# Altium PCB PCB1.PcbDoc (part 2 of 2)
Units mm, origin at the board's own origin, x right, y up, seen from the top; angles counter-clockwise.
Board outline 85 x 54.47 mm, 4 copper layers (Component Side, Ground Plane, Power Plane, Solder Side), stack 0.683 mm thick; 117 components, 155 nets, 594 pads, 283 vias.
Unrouted connection lines stored in the file: 1.
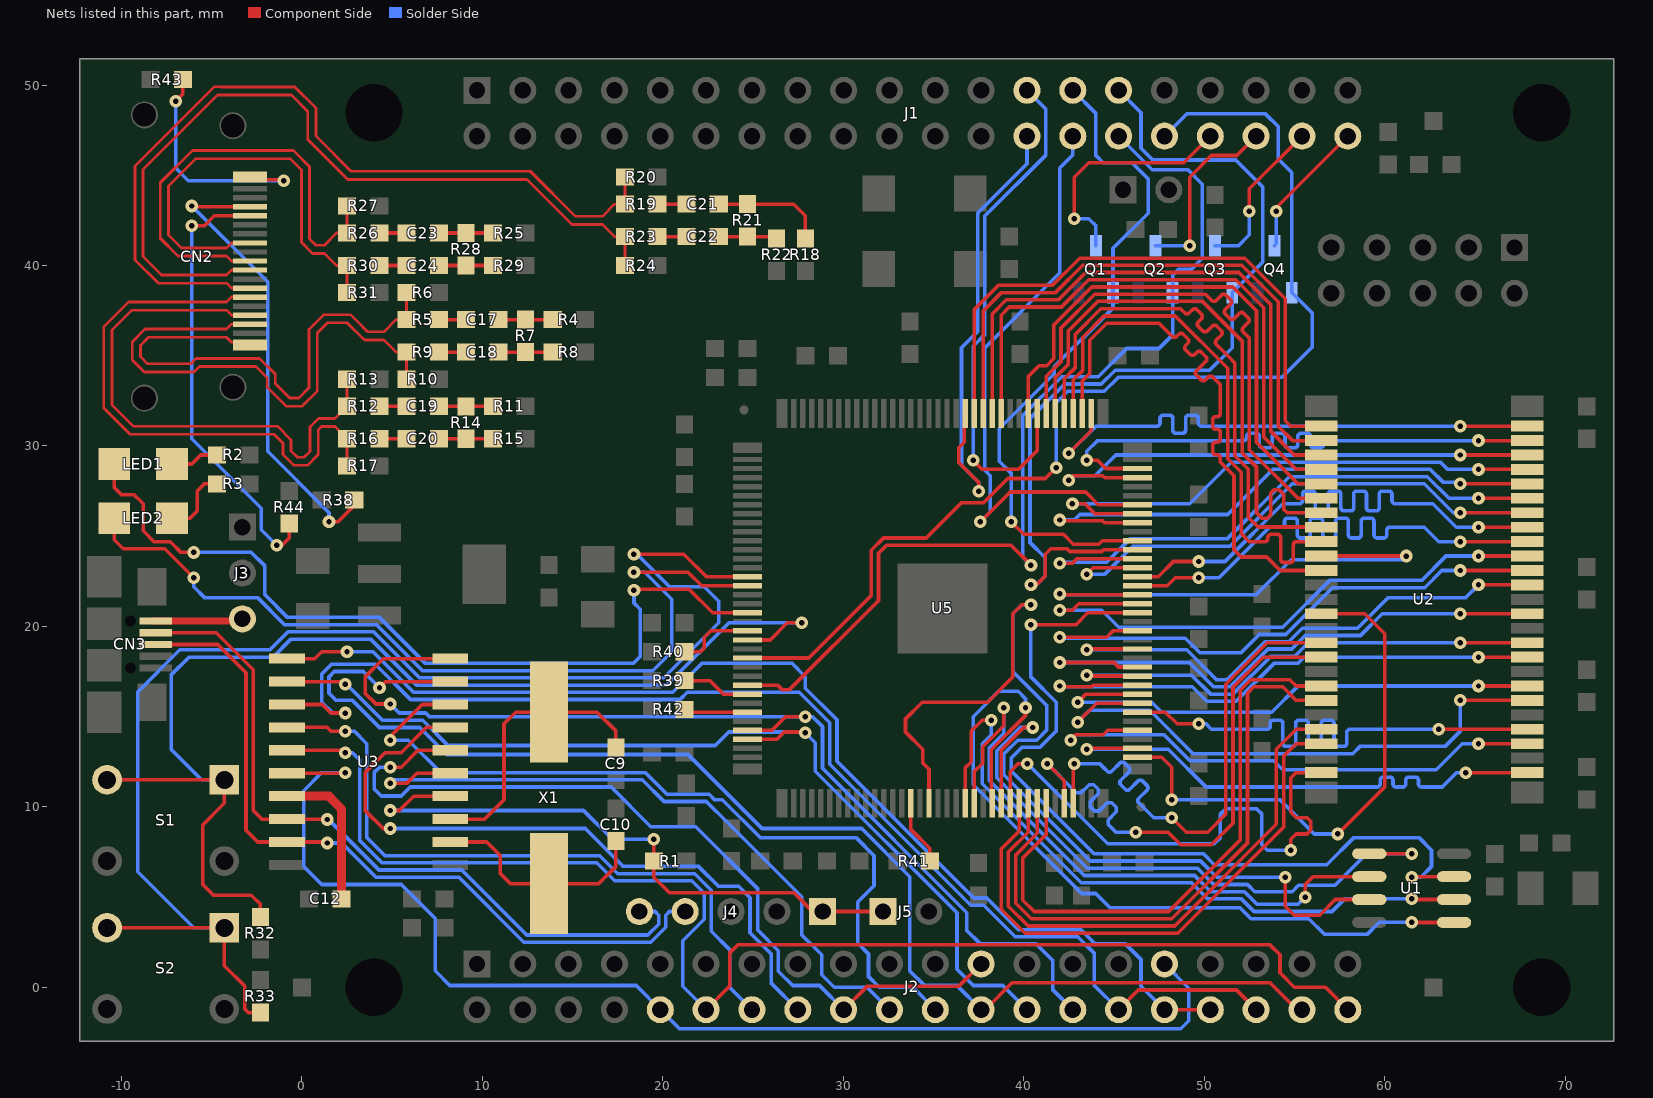
[diagram p4: the nets of this part, all layers, seen from the top]

## Via types
v1: diameter 0.7, hole 0.3, Component Side to Solder Side, 281 vias
v2: diameter 3, hole 2, Component Side to Solder Side, 1 vias
v3: diameter 0.9, hole 0.5, Component Side to Solder Side, 1 vias

## Nets (pads, with @x,y where several pads share a name; then routed paths per layer and width w, separated by ;. In a path a pad name is that pad's centre, name@x,y a point inside that pad or via, vN(x,y) a via of type N, cw(c..) or ccw(c..) an arc to the next point about the centre after c; other vN are vias at no path point) (continued)
GPIO22: J1.26 U5.88 | length 26.5
  Component Side w0.2: U5.88@36.75,31.8 36.7,31.75 36.7,30.2 36.4,29.9 36.4,29.081 37.5,27.981 v1(37.5,27.5)
  Solder Side w0.2: v1(37.5,27.5) 37.5,27.981 36.55,28.931 36.55,35.447 37.45,36.347 37.45,42.916 40.18,45.646 J1.26@40.18,47.17
GPIO23: J1.25 U5.80 | length 28.9
  Component Side w0.2: v1(37.2,29.2) 37.7,28.7 39.7,28.7 40.75,29.75 U5.80@40.75,31.8
  Solder Side w0.2: v1(37.2,29.2) 37.2,35.531 37.85,36.181 37.85,42.75 41.23,46.13 41.23,48.66 J1.25@40.18,49.71
GPIO24: J1.28 U5.66 | length 33.4
  Component Side w0.2: v1(37.6,25.8) 39.25,27.45 43.431,27.45 44.131,26.75 U5.66@46.3,26.75
  Solder Side w0.2: v1(37.6,25.8) 38.15,26.35 38.15,28.35 37.85,28.65 37.85,35.45 42,39.6 42,45.4 42.72,46.12 J1.28@42.72,47.17
GPIO25: J1.27 Q1.1 U5.62 | length 37.9
  Component Side w0.2: v1(39.3,25.8) 40,25.1 42.2,25.1 42.75,24.55 44.15,24.55 44.35,24.75 U5.62@46.3,24.75
  Solder Side w0.2: v1(39.3,25.8) 39.3,28.5 38.65,29.15 38.65,30.95 41.7,34 41.7,34.4 44.95,37.65 Q1.1@44.95,38.5 44.95,40.95 46.9,42.9 46.9,44.8 46,45.7 44.4,45.7 44,46.1 44,48.43 J1.27@42.72,49.71
GPIO26: J1.30 Q2.1 U5.135 | length 54.9
  Component Side w0.2: U5.135@24.7,16.75 26.35,16.75 26.6,16.5 27.019,16.5 31.95,21.431 31.95,24.05 32.4,24.5 39.3,24.5 v1(40.4,23.4)
  Solder Side w0.2: v1(40.4,23.4) 39.95,23.85 39.95,31.684 42.1,33.834 44.134,33.834 45.7,35.4 47.5,35.4 48.25,36.15 Q2.1@48.25,38.5 48.25,39.475 48.575,39.8 49.3,39.8 49.9,40.4 49.9,44.5 49.1,45.3 47.13,45.3 J1.30@45.26,47.17
GPIO27: J1.29 Q3.1 U5.61 | length 51.4
  Component Side w0.2: v1(40.4,22.3) 40.7,22.3 41.2,22.8 41.2,24 41.5,24.3 42.4,24.3 42.55,24.15 44.316,24.15 44.416,24.25 U5.61@46.3,24.25
  Solder Side w0.2: v1(40.4,22.3) 40.7,22.3 41.2,22.8 41.2,23.8 40.35,24.65 40.35,31.519 42.266,33.434 44.3,33.434 45.066,34.2 50.3,34.2 51.55,35.45 Q3.1@51.55,38.5 53.25,40.2 53.25,44.35 51.75,45.85 47.146,45.85 46.5,46.496 46.5,48.47 J1.29@45.26,49.71
GPIO28: J1.32 Q4.1 U5.132 | length 62.1
  Component Side w0.2: U5.132@24.7,18.25 28.084,18.25 31.55,21.716 31.55,24.216 32.234,24.9 34.6,24.9 36.55,26.85 37.769,26.85 39.119,28.2 41.2,28.2 v1(41.8,28.8)
  Solder Side w0.2: v1(41.8,28.8) 41.8,32.4 42.434,33.034 44.466,33.034 45.231,33.8 54.3,33.8 56,35.5 56,37.35 Q4.1@54.85,38.5 54.85,45.15 54.1,45.9 54.1,47.7 53.4,48.4 49.03,48.4 J1.32@47.8,47.17
HDMI_CLK_N: CN2.12 R30.2 R31.2 | length 24.5
  Component Side w0.152: CN2.12@-2.875,41.25 -3.9,41.25 -4.173,40.977 -6.677,40.977 -7.4,41.7 -7.4,44.4 -5.877,45.923 -0.662,45.923 -0.027,45.288 -0.027,41.288 0.588,40.673 1.252,40.673 1.925,40 R30.2@2.5,40 R31.2@2.5,38.5
HDMI_CLK_P: CN2.10 R26.2 R27.2 | length 26
  Component Side w0.152: CN2.10@-2.875,40.25 -3.9,40.25 -4.175,40.525 -5.11,40.525 -5.113,40.523 -5.487,40.523 -5.49,40.525 -6.865,40.525 -7.852,41.513 -7.852,44.587 -6.065,46.375 -0.475,46.375 0.425,45.475 0.425,41.475 0.775,41.125 1.25,41.125 1.925,41.8 R26.2@2.5,41.8 R27.2@2.5,43.3
HDMI_D0_N: CN2.9 R23.2 R24.2 | length 45.5
  Component Side w0.152: CN2.9@-2.875,39.75 -3.9,39.75 -4.175,39.475 -7.775,39.475 -8.8,40.5 -8.8,45.325 -4.675,49.45 -4.673,49.448 -0.584,49.448 0.325,48.539 0.323,48.536 0.323,46.988 0.588,46.723 0.591,46.723 2.541,44.773 12.466,44.773 14.966,42.273 16.652,42.273 17.325,41.6 R23.2@17.9,41.6 R24.2@17.9,40
HDMI_D0_P: CN2.7 R19.2 R20.2 | length 46.9
  Component Side w0.152: CN2.7@-2.875,38.75 -3.9,38.75 -4.173,39.023 -7.962,39.023 -9.252,40.313 -9.252,45.512 -4.862,49.902 -4.488,49.902 -4.485,49.9 -0.397,49.9 0.777,48.726 0.777,48.351 0.775,48.349 0.775,47.175 0.778,47.175 2.728,45.225 12.653,45.225 15.153,42.725 16.65,42.725 17.325,43.4 R19.2@17.9,43.4 R20.2@17.9,44.9
HDMI_D1_N: CN2.6 R16.2 R17.2 | length 31.9
  Component Side w0.152: CN2.6@-2.875,38.25 -3.9,38.25 -4.175,37.975 -9.611,37.975 -10.875,36.711 -10.975,36.611 -10.975,32.089 -9.536,30.65 -1.55,30.65 -1.05,30.15 -1.05,29.539 -0.436,28.925 0.311,28.925 0.9,29.514 0.9,30.875 1.1,31.075 1.825,31.075 R16.2@2.5,30.4 R17.2@2.5,28.9
HDMI_D1_P: CN2.4 R12.2 R13.2 | length 30.4
  Component Side w0.152: CN2.4@-2.875,37.25 -3.9,37.25 -4.175,37.525 -9.425,37.525 -10.525,36.425 -10.525,32.275 -9.35,31.1 -1.364,31.1 -0.6,30.336 -0.6,29.725 -0.25,29.375 0.125,29.375 0.45,29.7 0.45,31.061 0.914,31.525 1.825,31.525 R12.2@2.5,32.2 R13.2@2.5,33.7
HDMI_D2_N: CN2.3 R9.2 R10.2 | length 30.8
  Component Side w0.152: CN2.3@-2.875,36.75 -3.9,36.75 -4.173,36.477 -8.687,36.477 -9.4,35.765 -9.4,35.14 -9.402,35.137 -9.402,34.763 -8.737,34.098 -5.974,34.098 -5.672,34.4 -2.54,34.4 -1.927,33.788 -1.927,33.263 -0.862,32.198 -0.488,32.198 -0.485,32.2 0.015,32.2 0.852,33.038 0.852,33.412 0.85,33.415 0.85,36.275 0.853,36.275 1.403,36.825 2.514,36.825 2.514,36.822 3.463,35.873 3.837,35.873 3.84,35.875 4.55,35.875 5.225,35.2 R9.2@5.8,35.2 R10.2@5.8,33.7
HDMI_D2_P: CN2.1 R5.2 R6.2 | length 29.6
  Component Side w0.152: -8.725,35.8 -8.5,36.025 ; CN2.1@-2.875,35.75 -3.9,35.75 -4.175,36.025 -8.5,36.025 ; R6.2@5.8,38.5 R5.2@5.8,37 5.225,37 4.552,36.327 3.652,36.327 3.65,36.325 2.966,37.009 2.966,37.012 2.701,37.277 1.216,37.277 0.666,36.727 0.663,36.727 0.398,36.462 0.398,33.227 0.4,33.225 -0.173,32.652 -0.673,32.652 -0.675,32.65 -1.475,33.45 -1.475,33.975 -2.352,34.852 -5.859,34.852 -6.161,34.55 -8.55,34.55 -8.95,34.95 -8.948,34.952 -8.948,35.577 -8.5,36.025
LED0: LED2.2 U5.124 | length 48.1
  Component Side w0.2: LED2.2@-10.4,26 -10.4,24.8 -9.9,24.3 -7.6,24.3 v1(-6,22.7) ; v1(18.4,23) 21.4,23 22.15,22.25 U5.124@24.7,22.25
  Solder Side w0.2: v1(-6,22.7) -6,22.2 -5.4,21.6 -2.466,21.6 -0.966,20.1 4.134,20.1 6.684,17.55 19.45,17.55 20.5,18.6 20.5,21.5 19,23 v1(18.4,23)
LED1: LED1.2 U5.127 | length 47.2
  Component Side w0.2: LED1.2@-10.4,29 -10.4,27.7 -10,27.3 -9.3,27.3 -8.8,26.8 -8.8,25.3 -8.2,24.7 -7.3,24.7 -6.7,24.1 v1(-6,24.1) ; v1(18.4,22) 18.45,22.05 21.469,22.05 22.769,20.75 U5.127@24.7,20.75
  Solder Side w0.2: v1(-6,24.1) -2.8,24.1 -2.05,23.35 -2.05,21.75 -0.8,20.5 4.3,20.5 6.85,17.95 18.369,17.95 18.75,18.331 18.75,20.95 18.4,21.3 v1(18.4,22) v1@18.45,22.05
NetC9_2: C9.2 U3.3 X1.2 | length 15.4
  Component Side w0.2: U3.3@8.221,9.325 10.125,9.325 11.2,10.4 11.2,14.6 11.85,15.25 X1.2@13.7,15.25 16.35,15.25 17.4,14.2 C9.2@17.4,13.3
NetC10_2: C10.2 U3.2 X1.1 | length 12.5
  Component Side w0.2: U3.2@8.221,8.055 10.245,8.055 11,7.3 11,6.3 11.55,5.75 X1.1@13.7,5.75 16.45,5.75 17.4,6.7 C10.2@17.4,8.1
NetC12_2: C12.2 U3.17 | length 8.3
  Component Side w0.5: U3.17@-0.821,10.595 1.505,10.595 1.6,10.5 1.6,10.469 2.2,9.869 C12.2@2.2,4.9
NetC17_1: C17.1 R5.1 | length 1.5
  Component Side w0.2: R5.1@7.6,37 C17.1@9.1,37
NetC17_2: C17.2 R4.2 R7.2 | length 3
  Component Side w0.2: C17.2@10.9,37 R7.2@12.4,37 R4.2@13.9,37
NetC18_1: C18.1 R9.1 | length 1.5
  Component Side w0.2: R9.1@7.6,35.2 C18.1@9.1,35.2
NetC18_2: C18.2 R7.1 R8.2 | length 3
  Component Side w0.2: C18.2@10.9,35.2 R7.1@12.4,35.2 R8.2@13.9,35.2
NetC19_1: C19.1 R12.1 | length 1.5
  Component Side w0.2: R12.1@4.3,32.2 C19.1@5.8,32.2
NetC19_2: C19.2 R11.2 R14.2 | length 3
  Component Side w0.2: C19.2@7.6,32.2 R11.2@10.6,32.2
NetC20_1: C20.1 R16.1 | length 1.5
  Component Side w0.2: R16.1@4.3,30.4 C20.1@5.8,30.4
NetC20_2: C20.2 R14.1 R15.2 | length 3
  Component Side w0.2: C20.2@7.6,30.4 R14.1@9.1,30.4 R15.2@10.6,30.4
NetC21_1: C21.1 R19.1 | length 1.6
  Component Side w0.2: R19.1@19.7,43.4 C21.1@21.3,43.4
NetC21_2: C21.2 R18.2 R21.2 | length 6.3
  Component Side w0.2: C21.2@23.1,43.4 27.25,43.4 27.9,42.75 R18.2@27.9,41.5
NetC22_1: C22.1 R23.1 | length 1.6
  Component Side w0.2: R23.1@19.7,41.6 C22.1@21.3,41.6
NetC22_2: C22.2 R21.1 R22.2 | length 3.1
  Component Side w0.2: C22.2@23.1,41.6 R22.2@26.2,41.6
NetC23_1: C23.1 R26.1 | length 1.5
  Component Side w0.2: R26.1@4.3,41.8 C23.1@5.8,41.8
NetC23_2: C23.2 R25.2 R28.2 | length 3
  Component Side w0.2: C23.2@7.6,41.8 R28.2@9.1,41.8 R25.2@10.6,41.8
NetC24_1: C24.1 R30.1 | length 1.5
  Component Side w0.2: R30.1@4.3,40 C24.1@5.8,40
NetC24_2: C24.2 R28.1 R29.2 | length 3
  Component Side w0.2: C24.2@7.6,40 R28.1@9.1,40 R29.2@10.6,40
NetCN2_15: CN2.15 R44.2 | length 24.8
  Component Side w0.2: v1(-6.1,42.2) -5.4,42.2 -4.85,42.75 CN2.15@-2.875,42.75 ; v1(-1.4,24.5) -1.1,24.5 -0.7,24.9 R44.2@-0.7,25.7
  Solder Side w0.2: v1(-6.1,42.2) -6.1,30.4 -2.25,26.55 -2.25,25.35 v1(-1.4,24.5)
NetCN2_16: CN2.16 R38.2 | length 26
  Component Side w0.2: v1(-6.1,43.3) -6.05,43.25 CN2.16@-2.875,43.25 ; v1(1.5,25.8) 2,25.8 2.9,26.7 R38.2@2.9,27
  Solder Side w0.2: v1(-6.1,43.3) -1.9,39.1 -1.9,29.7 1.5,26.3 v1(1.5,25.8)
NetCN2_19: CN2.19 R43.1 | length 13.2
  Component Side w0.2: v1(-7,49.1) -6.6,49.5 R43.1@-6.6,50.3 ; CN2.19@-2.875,44.75 v1@-1.05,44.75
  Solder Side w0.2: v1(-7,49.1) -7,45.4 -6.3,44.7 v1(-1,44.7)
NetJ1_34: J1.34 Q1.3 | length 13.2
  Component Side w0.2: v1(42.8,42.6) 42.8,44.9 43.6,45.7 48.87,45.7 J1.34@50.34,47.17
  Solder Side w0.2: v1(42.8,42.6) 43.6,42.6 44,42.2 Q1.3@44,41.1
NetJ1_36: J1.36 Q2.3 | length 10.3
  Component Side w0.2: v1(49.2,41.1) 49.2,44.9 50.4,46.1 51.81,46.1 J1.36@52.88,47.17
  Solder Side w0.2: Q2.3@47.3,41.1 v1(49.2,41.1)
NetJ1_38: J1.38 Q3.3 | length 8.8
  Component Side w0.2: v1(52.5,43) 52.5,44.25 J1.38@55.42,47.17
  Solder Side w0.2: Q3.3@50.6,41.1 51.9,41.1 52.5,41.7 v1(52.5,43)
NetJ1_40: J1.40 Q4.3 | length 7.8
  Component Side w0.2: v1(54,43) 54,43.21 J1.40@57.96,47.17
  Solder Side w0.2: Q4.3@53.9,41.1 54,41.2 v1(54,43)
NetLED1_1: LED1.1 R2.2 | length 2.7
  Component Side w0.2: LED1.1@-7.2,29 -6.1,29 -5.6,29.5 R2.2@-4.7,29.5
NetLED2_1: LED2.1 R3.2 | length 3.9
  Component Side w0.2: LED2.1@-7.2,26 -6.2,26 -5.8,26.4 -5.8,27.5 -5.4,27.9 R3.2@-4.7,27.9
NetR39_2: R39.2 U5.136 | length 3.8
  Component Side w0.2: R39.2@21.2,17 22.6,17 23.35,16.25 U5.136@24.7,16.25
NetR40_2: R40.2 U5.129 | length 4.3
  Component Side w0.2: R40.2@21.2,18.6 22.1,18.6 22.3,18.8 22.3,19.4 22.65,19.75 U5.129@24.7,19.75
NetR41_2: R41.2 U5.15 | length 3.6
  Component Side w0.2: U5.15@33.75,10.2 33.75,8.75 34.8,7.7 R41.2@34.8,7
NetR42_2: R42.2 U5.138 | length 3.6
  Component Side w0.2: R42.2@21.2,15.4 21.35,15.25 U5.138@24.7,15.25
PIC_D_N: CN3.2 J4.5 U3.18 | length 41.5
  Component Side w0.2: CN3.2@-8.3,19.65 -4.75,19.65 -2.7,17.6 -2.7,9.8 -2.225,9.325 U3.18@-0.821,9.325 1.375,9.325 v1(1.4,9.3)
  Solder Side w0.2: v1(1.4,9.3) 1.469,9.3 4.269,6.5 8.866,6.5 12.466,2.9 19.17,2.9 19.77,3.5 19.77,4 19.57,4.2 J4.5@18.7,4.2
PIC_D_P: CN3.3 J4.4 U3.19 | length 42.6
  Component Side w0.2: CN3.3@-8.3,19 -4.666,19 -3.1,17.434 -3.1,8.7 -2.455,8.055 U3.19@-0.821,8.055 1.345,8.055 v1(1.4,8)
  Solder Side w0.2: v1(1.4,8) 2.203,8 4.103,6.1 8.7,6.1 12.3,2.5 19.336,2.5 20.17,3.334 20.17,4 20.37,4.2 J4.4@21.24,4.2
PIC_MCLR: J4.1 J5.1 R1.2 U3.4 | length 34.5
  Component Side w0.2: v1(4.9,9.8) 5.4,9.8 6.195,10.595 U3.4@8.221,10.595 ; v1(19.5,8.2) R1.2@19.5,7 19.5,6.1 20.35,5.25 27.25,5.25 28.3,4.2 J4.1@28.86,4.2 J5.1@32.2,4.2
  Solder Side w0.2: v1(4.9,9.8) 15.6,9.8 17.2,8.2 v1(19.5,8.2)
PIC_RB4: J2.30 J2.36 U3.13 | length 70.1
  Component Side w0.2: U3.13@-0.821,15.675 1.125,15.675 1.6,15.2 v1(2.4,15.2) ; J2.30@45.26,-1.24 46.35,-0.15 51.79,-0.15 J2.36@52.88,-1.24
  Solder Side w0.2: v1(2.4,15.2) 1.7,15.2 1.1,15.8 1.1,17.366 1.634,17.9 4.072,17.9 6.022,15.95 20.95,15.95 21.35,16.35 27.565,16.35 29.25,14.665 29.25,12.365 37.065,4.55 37.787,4.55 39.537,2.8 43,2.8 43.9,1.9 43.9,0.12 J2.30@45.26,-1.24
PIC_RB6: J2.32 J2.34 U3.11 | length 63.5
  Component Side w0.2: U3.11@-0.821,18.215 0.715,18.215 1.1,18.6 v1(2.5,18.6) ; J2.32@47.8,-1.24 J2.34@50.34,-1.24
  Solder Side w0.2: v1(2.5,18.6) 3.937,18.6 6.187,16.35 20.55,16.35 22.15,17.95 27.169,17.95 27.9,17.219 27.9,16.581 29.65,14.831 29.65,12.531 37.231,4.95 37.953,4.95 39.703,3.2 43.166,3.2 43.966,2.4 45.645,2.4 46.5,1.545 46.5,0.06 J2.32@47.8,-1.24
PIC_RC0: J2.10 J2.31 U3.16 | length 68.5
  Component Side w0.2: U3.16@-0.821,11.865 2.365,11.865 v1(2.4,11.9)
  Solder Side w0.2: v1(2.4,11.9) 1.1,11.9 0.1,10.9 0.1,6.7 1.1,5.7 5.5,5.7 7.388,3.812 7.388,0.913 8.2,0.1 18.52,0.1 J2.10@19.86,-1.24 20.92,-2.3 48.7,-2.3 49.15,-1.85 49.15,-0.05 J2.31@47.8,1.3
PIC_RC1: J2.12 J2.40 U3.15 | length 76.7
  Component Side w0.2: U3.15@-0.821,13.135 2.265,13.135 v1(2.4,13) ; J2.12@22.4,-1.24 23.7,0.06 23.7,1.9 24.15,2.35 53.65,2.35 54.2,1.8 54.2,0.8 55,0 56.72,0 J2.40@57.96,-1.24
  Solder Side w0.2: v1(2.4,13) 2.8,13 3.2,12.6 3.2,8.134 4.434,6.9 16.334,6.9 17.334,5.9 21.6,5.9 22.29,5.21 22.29,3.765 21.1,2.575 21.1,0.06 J2.12@22.4,-1.24
PIC_RC2: J2.14 U3.14 | length 37.8
  Component Side w0.2: U3.14@-0.821,14.405 1.395,14.405 1.6,14.2 v1(2.4,14.2)
  Solder Side w0.2: v1(2.4,14.2) 2.9,14.2 3.6,13.5 3.6,8.3 4.6,7.3 16.5,7.3 17.5,6.3 21.766,6.3 22.69,5.376 22.69,3.11 23.7,2.1 23.7,0 J2.14@24.94,-1.24
PIC_RC3: J2.16 U3.7 | length 38.5
  Component Side w0.2: v1(4.9,8.8) 4.5,8.8 3.5,9.8 3.5,11.9 4.6,13 5.5,13 6.905,14.405 U3.7@8.221,14.405
  Solder Side w0.2: v1(4.9,8.8) 15.7,8.8 17.8,6.7 21.981,6.7 23.081,5.6 24.2,5.6 24.83,4.97 24.83,3.03 26,1.86 26,0.24 J2.16@27.48,-1.24
PIC_RC4: J2.18 J2.23 U3.6 | length 47.8
  Component Side w0.2: v1(4.9,12.2) 5.5,12.2 6.435,13.135 U3.6@8.221,13.135 ; J2.18@30.02,-1.24 31.31,0.05 36.39,0.05 J2.23@37.64,1.3
  Solder Side w0.2: v1(4.9,12.2) 4.3,12.2 4,11.9 4,11 4.4,10.6 5.5,10.6 6,11.1 17.139,11.1 19.339,8.9 21.819,8.9 25.27,5.449 25.27,3.156 26.4,2.026 26.4,0.895 27.195,0.1 28.68,0.1 J2.18@30.02,-1.24
PIC_RC5: J2.20 U3.5 | length 38.5
  Component Side w0.2: v1(4.9,11.3) 5.8,11.3 6.365,11.865 U3.5@8.221,11.865
  Solder Side w0.2: v1(4.9,11.3) 5.1,11.5 18.861,11.5 20.061,10.3 22.4,10.3 22.95,9.75 22.969,9.75 27.7,5.019 27.7,2.9 28.8,1.8 28.8,0.7 29.5,0 31.32,0 J2.20@32.56,-1.24
PIC_RC6: J2.22 U3.8 | length 45.5
  Component Side w0.2: v1(4.9,13.7) 4.9,13.9 6.675,15.675 U3.8@8.221,15.675
  Solder Side w0.2: v1(4.9,13.7) 5.9,13.7 7.7,11.9 19.026,11.9 20.226,10.7 22.566,10.7 22.866,10.4 23.3,10.4 25.4,8.3 30.7,8.3 31.7,7.3 31.7,5.624 30.8,4.724 30.8,2.45 31.4,1.85 31.4,0.6 32,0 33.86,0 J2.22@35.1,-1.24
PIC_RC7: J2.24 J2.38 U3.9 | length 73.7
  Component Side w0.2: v1(4.3,16.6) 4.645,16.945 U3.9@8.221,16.945 ; J2.24@37.64,-1.24 37.86,-1.24 39.35,0.25 53.65,0.25 55.14,-1.24 J2.38@55.42,-1.24
  Solder Side w0.2: v1(4.3,16.6) 3.4,17.5 1.8,17.5 1.5,17.2 1.5,16.3 1.9,15.9 2.8,15.9 4.3,14.4 6.534,14.4 8.034,12.9 21.4,12.9 25.5,8.8 31.019,8.8 33.69,6.129 33.69,0.91 34.5,0.1 36.3,0.1 J2.24@37.64,-1.24
PIC_RX: J2.26 U3.12 U5.141 | length 55.3
  Component Side w0.2: U3.12@-0.821,16.945 2.255,16.945 v1(2.4,16.8) ; U5.141@24.7,13.75 26.331,13.75 26.731,14.15 27.85,14.15 v1(27.9,14.1)
  Solder Side w0.2: v1(2.4,16.8) 2.466,16.8 4.466,14.8 6.7,14.8 8.1,13.4 22.9,13.4 23.65,14.15 27.85,14.15 v1(27.9,14.1) 28.45,13.55 28.45,11.975 36.3,4.125 36.3,1 37.2,0.1 38.84,0.1 J2.26@40.18,-1.24
PIC_TX: J2.28 U3.10 U5.140 | length 58.9
  Component Side w0.2: v1(4.9,15.7) 4.1,15.7 3.5,16.3 3.5,17.2 4.515,18.215 U3.10@8.221,18.215 ; U5.140@24.7,14.25 26.05,14.25 26.8,15 v1(27.9,15)
  Solder Side w0.2: v1(4.9,15.7) 5.4,15.2 6.866,15.2 7.066,15 v1(27.9,15) 28.3,15 28.85,14.45 28.85,12.141 36.85,4.141 36.85,3.15 37.6,2.4 40.7,2.4 41.6,1.5 41.6,-0.12 J2.28@42.72,-1.24
QSPIGPIO28: U1.3 U5.17 | length 54.1
  Component Side w0.2: U5.17@34.75,10.2 34.75,12.084 34.4,12.434 34.4,13.2 33.45,14.15 33.45,14.869 34.381,15.8 38,15.8 39.4,17.2 39.4,20.7 39.9,21.2 v1(40.4,21.2) ; v1(54.5,6.1) 54.5,4.5 55,4 56.4,4 57.265,4.865 U1.3@59.15,4.865
  Solder Side w0.2: v1(40.4,21.2) 39.9,21.2 39.4,20.7 39.4,17.5 41.267,15.633 41.267,14.248 40.719,13.7 39.666,13.7 38.9,12.934 38.9,11.782 43.682,7 49.797,7 50.697,6.1 v1(54.5,6.1)
QSPIGPIO30: U1.7 U5.54 | length 47.4
  Component Side w0.2: v1(40.4,20.1) 42.9,20.1 43.55,20.75 U5.54@46.3,20.75 ; v1@61.535,6.135 U1.7@63.85,6.135
  Solder Side w0.2: v1(40.4,20.1) 40.4,17.2 41.8,15.8 41.8,14.2 40.9,13.3 39.9,13.3 39.3,12.7 39.3,12 43.9,7.4 49.963,7.4 50.563,6.8 56.8,6.8 58.3,8.3 61.9,8.3 62.6,7.6 62.6,6.7 62,6.1 v1(61.5,6.1)
SDRAM_A0: U2.23 U5.65 | length 30.1
  Component Side w0.2: v1(42.7,26.8) 43.4,26.8 43.95,26.25 U5.65@46.3,26.25 ; v1(65.2,28.7) U2.23@67.9,28.7
  Solder Side w0.2: v1(42.7,26.8) 49.2,26.8 51.5,29.1 63.097,29.1 63.497,28.7 v1(65.2,28.7)
SDRAM_A1: U2.24 U5.69 | length 29.9
  Component Side w0.2: v1(42.5,28.1) 42.75,28.35 44.384,28.35 44.484,28.25 U5.69@46.3,28.25 ; v1(64.2,29.5) U2.24@67.9,29.5
  Solder Side w0.2: v1(42.5,28.1) 42.75,28.35 43.95,28.35 45.1,29.5 v1(64.2,29.5)
SDRAM_A2: U2.25 U5.70 | length 31.9
  Component Side w0.2: v1(43.5,29.2) 44.1,29.2 44.55,28.75 U5.70@46.3,28.75 ; v1(65.2,30.3) U2.25@67.9,30.3
  Solder Side w0.2: v1(43.5,29.2) 43.5,29.7 44.1,30.3 52,30.3 52.177,30.3 ccw(c52.177,30.477) 52.354,30.477 52.354,30.523 cw(c52.531,30.523) 52.531,30.7 52.885,30.7 cw(c52.885,30.523) 53.062,30.523 53.062,30.3 53.062,30.077 ccw(c53.239,30.077) 53.239,29.9 53.593,29.9 ccw(c53.593,30.077) 53.77,30.077 53.77,30.3 53.77,30.523 cw(c53.947,30.523) 53.947,30.7 54.301,30.7 cw(c54.301,30.523) 54.478,30.523 54.478,30.3 54.478,30.077 ccw(c54.655,30.077) 54.655,29.9 55.009,29.9 ccw(c55.009,30.077) 55.186,30.077 55.186,30.3 55.186,30.523 cw(c55.363,30.523) 55.363,30.7 55.717,30.7 cw(c55.717,30.523) 55.894,30.523 55.894,30.3 55.894,30.077 ccw(c56.071,30.077) 56.071,29.9 56.425,29.9 ccw(c56.425,30.077) 56.602,30.077 56.602,30.123 cw(c56.779,30.123) 56.779,30.3 56.8,30.3 v1(65.2,30.3)
SDRAM_A3: U2.26 U5.74 | length 31.3
  Component Side w0.2: v1(42.5,29.6) 43.75,30.85 U5.74@43.75,31.8 ; v1(64.2,31.1) U2.26@67.9,31.1
  Solder Side w0.2: v1(42.5,29.6) 44,31.1 47.2,31.1 47.377,31.1 ccw(c47.377,31.277) 47.554,31.277 47.554,31.523 cw(c47.731,31.523) 47.731,31.7 48.085,31.7 cw(c48.085,31.523) 48.262,31.523 48.262,31.1 48.262,30.877 ccw(c48.439,30.877) 48.439,30.7 48.793,30.7 ccw(c48.793,30.877) 48.97,30.877 48.97,31.1 48.97,31.523 cw(c49.147,31.523) 49.147,31.7 49.501,31.7 cw(c49.501,31.523) 49.678,31.523 49.678,31.277 ccw(c49.855,31.277) 49.855,31.1 50,31.1 v1(64.2,31.1)
SDRAM_A4: U2.29 U5.87 | length 34
  Component Side w0.2: U5.87@37.25,31.8 37.25,37.55 38.6,38.9 41.6,38.9 43.111,40.411 52.251,40.411 54.5,38.163 54.5,31.4 54.8,31.1 U2.29@56.5,31.1
SDRAM_A5: U2.30 U5.86 | length 33.5
  Component Side w0.2: U5.86@37.75,31.8 37.75,37.484 38.766,38.5 41.766,38.5 43.277,40.011 52.086,40.011 54.1,37.997 54.1,31.1 54.9,30.3 U2.30@56.5,30.3
SDRAM_A6: U2.31 U5.85 | length 33
  Component Side w0.2: U5.85@38.25,31.8 38.25,37.316 39.034,38.1 41.931,38.1 43.443,39.611 51.92,39.611 53.7,37.831 53.7,30.8 55,29.5 U2.31@56.5,29.5
SDRAM_A7: U2.32 U5.84 | length 32.6
  Component Side w0.2: U5.84@38.75,31.8 38.75,37.25 39.201,37.7 42.097,37.7 43.608,39.211 51.754,39.211 53.3,37.666 53.3,30.5 55.1,28.7 U2.32@56.5,28.7
SDRAM_A8: U2.33 U5.81 | length 30.2
  Component Side w0.2: U5.81@40.25,31.8 40.25,33.85 40.85,34.45 41.269,34.45 41.666,34.846 41.666,36.703 43.774,38.811 51.589,38.811 52.9,37.5 52.9,30.2 55.2,27.9 U2.33@56.5,27.9
SDRAM_A9: U2.34 U5.79 | length 31
  Component Side w0.2: U5.79@41.25,31.8 41.25,33.865 42.066,34.681 42.066,36.537 43.94,38.411 50.07,38.411 50.291,38.191 50.416,38.066 ccw(c50.541,38.191) 50.666,38.066 50.96,38.36 cw(c51.085,38.234) 51.21,38.36 51.461,38.109 cw(c51.336,37.984) 51.461,37.859 51.167,37.565 ccw(c51.292,37.44) 51.167,37.315 51.417,37.064 ccw(c51.542,37.19) 51.668,37.064 51.948,37.344 cw(c52.073,37.219) 52.198,37.344 52.448,37.094 cw(c52.323,36.969) 52.448,36.844 52.168,36.564 ccw(c52.293,36.439) 52.168,36.313 52.291,36.191 52.5,35.982 52.5,29.797 55.197,27.1 U2.34@56.5,27.1
SDRAM_A10: U2.22 U5.64 | length 31.7
  Component Side w0.2: v1@42.05,25.85 44.369,25.85 44.469,25.75 U5.64@46.3,25.75 ; v1(64.2,27.9) U2.22@67.9,27.9
  Solder Side w0.2: v1(42,25.9) 42.8,25.9 43.1,26.2 51.3,26.2 53.8,28.7 62.531,28.7 63.231,28 64.1,28 v1(64.2,27.9)
SDRAM_A11: U2.35 U5.78 | length 32
  Component Side w0.2: U5.78@41.75,31.8 41.75,33.799 42.466,34.515 42.466,36.372 44.105,38.011 49.905,38.011 52.1,35.816 52.1,29.631 52.9,28.831 52.9,26.3 53.2,26 53.5,26 53.7,26.2 53.7,27.4 53.866,27.566 54.166,27.566 54.4,27.331 54.4,26.5 54.6,26.3 U2.35@56.5,26.3
SDRAM_A12: U2.36 U5.77 | length 30.5
  Component Side w0.2: U5.77@42.25,31.8 42.25,33.734 42.866,34.349 42.866,36.197 44.269,37.6 48.7,37.6 48.8,37.5 48.925,37.375 ccw(c49.05,37.5) 49.175,37.375 49.349,37.548 cw(c49.474,37.423) 49.599,37.548 49.849,37.298 cw(c49.724,37.173) 49.849,37.048 49.676,36.874 ccw(c49.801,36.749) 49.676,36.624 49.926,36.374 ccw(c50.052,36.499) 50.177,36.374 50.444,36.64 cw(c50.569,36.515) 50.694,36.64 50.944,36.39 cw(c50.819,36.265) 50.944,36.14 50.677,35.873 ccw(c50.803,35.748) 50.677,35.623 51.053,35.247 51.3,35 51.7,34.6 51.7,29.466 52.45,28.716 52.45,26.05 52.989,25.511 56.489,25.511 U2.36@56.5,25.5
SDRAM_BA0: U2.20 U5.59 | length 30.1
  Component Side w0.2: v1(43.5,22.9) 43.85,23.25 U5.59@46.3,23.25 ; v1(64.2,26.3) U2.20@67.9,26.3
  Solder Side w0.2: v1(43.5,22.9) 44.5,22.9 46.05,24.45 51.435,24.45 54.885,27.9 62.2,27.9 63.8,26.3 v1(64.2,26.3)
SDRAM_BA1: U2.21 U5.60 | length 32.8
  Component Side w0.2: v1(42,23.5) 42.7,23.5 42.95,23.75 U5.60@46.3,23.75 ; v1(65.2,27.1) U2.21@67.9,27.1
  Solder Side w0.2: v1(42,23.5) 42.05,23.55 44.584,23.55 45.884,24.85 51.269,24.85 54.719,28.3 62.366,28.3 63.566,27.1 v1(65.2,27.1)
SDRAM_CAS#: U2.17 U5.55 | length 32.4
  Component Side w0.2: v1(42,20.9) 42.7,20.9 43.05,21.25 U5.55@46.3,21.25 ; v1(65.2,23.9) U2.17@67.9,23.9
  Solder Side w0.2: v1(42,20.9) 44.319,20.9 45.269,19.95 54.35,19.95 56.95,22.55 62.05,22.55 63.4,23.9 v1(65.2,23.9)
SDRAM_CKE: U2.37 U5.76 | length 31.2
  Component Side w0.2: U5.76@42.75,31.8 42.75,33.668 43.266,34.184 43.266,36.031 44.434,37.2 48.4,37.2 51.3,34.3 51.3,29.3 52.05,28.55 52.05,25.15 52.5,24.7 52.8,24.7 52.822,24.7 53.353,24.7 ccw(c53.353,24.877) 53.53,24.877 53.53,24.923 cw(c53.707,24.923) 53.707,25.1 54.061,25.1 cw(c54.061,24.923) 54.238,24.923 54.238,24.7 54.238,23.72 ccw(c54.415,23.72) 54.415,23.543 54.769,23.543 ccw(c54.769,23.72) 54.946,23.72 54.946,24.523 cw(c55.123,24.523) 55.123,24.7 55.3,24.7 U2.37@56.5,24.7 U2.37@56.3,24.9
SDRAM_CLK: U2.38 U5.56 | length 29.2
  Component Side w0.2: v1(42,21.8) 42.05,21.75 U5.56@46.3,21.75 ; U2.38@56.5,23.9 v1(61.2,23.9)
  Solder Side w0.2: v1(42,21.8) 42.05,21.75 52.869,21.75 54.819,23.7 61,23.7 v1(61.2,23.9) v1@61.15,23.85
SDRAM_CS#: U2.19 U5.58 | length 30.6
  Component Side w0.2: U5.58@46.3,22.75 47.45,22.75 48.3,23.6 v1(49.7,23.6) ; v1(65.2,25.5) U2.19@67.9,25.5
  Solder Side w0.2: v1(49.7,23.6) 51.151,23.6 54.351,26.8 55.1,26.8 55.277,26.8 ccw(c55.277,26.977) 55.454,26.977 55.454,27.323 cw(c55.631,27.323) 55.631,27.5 55.985,27.5 cw(c55.985,27.323) 56.162,27.323 56.162,26.8 56.162,26.577 ccw(c56.339,26.577) 56.339,26.4 56.693,26.4 ccw(c56.693,26.577) 56.87,26.577 56.87,26.8 56.87,27.323 cw(c57.047,27.323) 57.047,27.5 57.401,27.5 cw(c57.401,27.323) 57.578,27.323 57.578,26.8 57.578,26.577 ccw(c57.755,26.577) 57.755,26.4 58.109,26.4 ccw(c58.109,26.577) 58.286,26.577 58.286,26.8 58.286,27.323 cw(c58.463,27.323) 58.463,27.5 58.817,27.5 cw(c58.817,27.323) 58.994,27.323 58.994,26.8 58.994,26.577 ccw(c59.171,26.577) 59.171,26.4 59.525,26.4 ccw(c59.525,26.577) 59.702,26.577 59.702,26.8 59.702,27.323 cw(c59.879,27.323) 59.879,27.5 60.233,27.5 cw(c60.233,27.323) 60.41,27.323 60.41,26.977 ccw(c60.587,26.977) 60.587,26.8 60.8,26.8 62.666,26.8 63.966,25.5 v1(65.2,25.5)
SDRAM_DQ0: U2.2 U5.39 | length 29.9
  Component Side w0.2: v1@43.55,13.25 U5.39@46.3,13.25 ; v1(64.5,11.9) U2.2@67.9,11.9
  Solder Side w0.2: v1(43.5,13.2) 48.003,13.2 50.103,11.1 59.4,11.1 59.577,11.1 ccw(c59.577,11.277) 59.754,11.277 59.754,11.473 cw(c59.931,11.473) 59.931,11.65 60.285,11.65 cw(c60.285,11.473) 60.462,11.473 60.462,11.277 ccw(c60.639,11.277) 60.639,11.1 60.993,11.1 ccw(c60.993,11.277) 61.17,11.277 61.17,11.473 cw(c61.347,11.473) 61.347,11.65 61.701,11.65 cw(c61.701,11.473) 61.878,11.473 61.878,11.277 ccw(c62.055,11.277) 62.055,11.1 62.586,11.1 63.2,11.1 64,11.9 v1(64.5,11.9)
SDRAM_DQ1: U2.4 U5.41 | length 30.8
  Component Side w0.2: v1(42.6,13.7) 42.9,14 44.4,14 44.65,14.25 U5.41@46.3,14.25 ; v1(65.2,13.5) U2.4@67.9,13.5
  Solder Side w0.2: v1(42.6,13.7) 42.9,14 47.769,14 49.219,12.55 53.85,12.55 54.35,12.05 59.739,12.05 59.751,12.061 62.861,12.061 64.3,13.5 v1(65.2,13.5)
SDRAM_DQ2: U2.5 U5.43 | length 29.6
  Component Side w0.2: U5.43@46.3,15.25 47.85,15.25 48.5,14.6 v1(49.7,14.6) ; v1(63,14.3) U2.5@67.9,14.3
  Solder Side w0.2: v1(49.7,14.6) 50.1,14.6 50.4,14.3 53.3,14.3 53.477,14.3 ccw(c53.477,14.477) 53.654,14.477 53.654,14.623 cw(c53.831,14.623) 53.831,14.8 54.185,14.8 cw(c54.185,14.623) 54.362,14.623 54.362,14.3 54.362,13.527 ccw(c54.539,13.527) 54.539,13.35 54.893,13.35 ccw(c54.893,13.527) 55.07,13.527 55.07,14.3 55.07,14.623 cw(c55.247,14.623) 55.247,14.8 55.601,14.8 cw(c55.601,14.623) 55.778,14.623 55.778,14.3 55.778,13.527 ccw(c55.955,13.527) 55.955,13.35 56.309,13.35 ccw(c56.309,13.527) 56.486,13.527 56.486,14.3 56.486,14.623 cw(c56.663,14.623) 56.663,14.8 57.017,14.8 cw(c57.017,14.623) 57.194,14.623 57.194,14.3 57.194,13.527 ccw(c57.371,13.527) 57.371,13.35 57.725,13.35 ccw(c57.725,13.527) 57.902,13.527 57.902,14.123 cw(c58.079,14.123) 58.079,14.3 58.3,14.3 v1(63,14.3)
SDRAM_DQ3: U2.7 U5.44 | length 32.1
  Component Side w0.2: v1(43,14.7) 44.05,15.75 U5.44@46.3,15.75 ; v1(64.2,15.9) U2.7@67.9,15.9
  Solder Side w0.2: v1(43,14.7) 43.65,15.35 46.984,15.35 49.384,12.95 58.231,12.95 58.631,13.35 63.35,13.35 64.2,14.2 v1(64.2,15.9)
SDRAM_DQ4: U2.8 U5.45 | length 29.2
  Component Side w0.2: v1(43,15.8) 43.45,16.25 U5.45@46.3,16.25 ; v1(65.2,16.7) U2.8@67.9,16.7
  Solder Side w0.2: v1(43,15.8) 47.1,15.8 47.65,15.25 53.75,15.25 55.2,16.7 v1(65.2,16.7)
SDRAM_DQ5: U2.10 U5.46 | length 31.6
  Component Side w0.2: v1@42.05,16.65 43.769,16.65 43.869,16.75 U5.46@46.3,16.75 ; v1(65.2,18.3) U2.10@67.9,18.3
  Solder Side w0.2: v1(42,16.7) 42.05,16.65 49.337,16.65 50.137,15.85 51.766,15.85 53.866,17.95 55.178,17.95 55.528,18.3 v1(65.2,18.3)
SDRAM_DQ6: U2.11 U5.47 | length 28.8
  Component Side w0.2: v1@43.55,17.25 U5.47@46.3,17.25 ; v1(64.2,19.1) U2.11@67.9,19.1
  Solder Side w0.2: v1(43.5,17.3) 49.303,17.3 50.353,16.25 51.601,16.25 53.701,18.35 55.013,18.35 55.763,19.1 v1(64.2,19.1)
SDRAM_DQ7: U2.13 U5.48 | length 32.8
  Component Side w0.2: v1(42,18) 45,18 45.25,17.75 U5.48@46.3,17.75 ; v1(64.2,20.7) U2.13@67.9,20.7 U2.13@67.75,20.55
  Solder Side w0.2: v1(42,18) 49.169,18 50.519,16.65 51.435,16.65 53.535,18.75 54.847,18.75 55.597,19.5 58.666,19.5 59.866,20.7 v1(64.2,20.7)
SDRAM_DQ8: U2.42 U5.38 | length 30
  Component Side w0.2: U5.38@46.3,12.75 47.65,12.75 48.2,12.2 v1(48.2,10.4) ; U2.42@56.5,20.7 58.9,20.7 60,19.6 60,11.1 v1(57.4,8.5)
  Solder Side w0.2: v1(48.2,10.4) 54.2,10.4 56.1,8.5 v1(57.4,8.5)
SDRAM_DQ9: U2.44 U5.33 | length 29.4
  Component Side w0.2: U5.33@42.75,10.2 v1@42.75,12.35 ; v1(48.2,9.4) 49,8.6 50.2,8.6 51.2,9.6 51.2,16.797 53.503,19.1 U2.44@56.5,19.1
  Solder Side w0.2: v1(42.8,12.4) 44.2,12.4 44.5,12.1 44.625,11.975 ccw(c44.75,12.1) 44.875,11.975 45.332,12.432 cw(c45.457,12.306) 45.583,12.432 45.833,12.181 cw(c45.708,12.056) 45.833,11.931 45.376,11.474 ccw(c45.501,11.349) 45.376,11.224 45.626,10.974 ccw(c45.752,11.099) 45.877,10.974 46.334,11.43 cw(c46.459,11.305) 46.584,11.43 46.834,11.18 cw(c46.709,11.055) 46.834,10.93 46.377,10.473 ccw(c46.503,10.348) 46.377,10.223 46.7,9.9 47.2,9.4 v1(48.2,9.4)
SDRAM_DQ10: U2.45 U5.32 | length 31.5
  Component Side w0.2: v1(41.3,12.4) 42.25,11.45 U5.32@42.25,10.2 ; v1(46.2,8.6) 48,8.6 48.7,7.9 50.4,7.9 51.6,9.1 51.6,16.631 53.269,18.3 U2.45@56.5,18.3
  Solder Side w0.2: v1(41.3,12.4) 42.8,10.9 42.925,10.775 43.175,10.775 43.632,11.232 43.883,11.232 44.133,10.981 44.133,10.731 43.676,10.274 43.676,10.024 43.926,9.774 44.177,9.774 44.634,10.23 44.884,10.23 45.134,9.98 45.134,9.73 44.677,9.273 44.677,9.023 45.053,8.647 45.1,8.6 v1(46.2,8.6)
SDRAM_DQ11: U2.47 U5.30 | length 33.1
  Component Side w0.2: U5.30@41.25,10.2 41.25,8.469 39.95,7.169 39.95,4.831 40.581,4.2 48.037,4.2 52,8.163 52,16.466 52.584,17.05 54.75,17.05 55.1,16.7 U2.47@56.5,16.7
SDRAM_DQ12: U2.48 U5.29 | length 33.8
  Component Side w0.2: U5.29@40.75,10.2 40.75,8.535 39.55,7.335 39.55,4.665 40.415,3.8 48.203,3.8 52.4,7.997 52.4,16.3 52.75,16.65 54.35,16.65 55.1,15.9 U2.48@56.5,15.9
SDRAM_DQ13: U2.50 U5.28 | length 30.9
  Component Side w0.2: U5.28@40.25,10.2 40.25,8.601 39.15,7.501 39.15,4.499 40.249,3.4 48.369,3.4 54,9.031 54,13.2 55.1,14.3 U2.50@56.5,14.3
SDRAM_DQ14: U2.51 U5.27 | length 31.2
  Component Side w0.2: U5.27@39.75,10.2 39.75,8.666 38.75,7.666 38.75,4.334 40.084,3 48.534,3 54.4,8.866 54.4,12.8 55.1,13.5 U2.51@56.5,13.5
SDRAM_DQ15: U2.53 U5.26 | length 30.4
  Component Side w0.2: U5.26@39.2,10.15 U5.26@39.25,10.2 39.25,11.95 39.7,12.4 v1(40.2,12.4) ; v1(54.8,7.6) 54.8,8.2 55.1,8.5 55.7,8.5 55.9,8.7 55.9,9.2 55.7,9.4 55.1,9.4 54.8,9.7 54.8,11.6 55.1,11.9 U2.53@56.5,11.9
  Solder Side w0.2: v1(40.2,12.4) 44.65,7.95 50.55,7.95 50.9,8.3 50.9,9.6 51.2,9.9 52.9,9.9 53.2,9.6 53.2,7.9 53.5,7.6 v1(54.8,7.6)
SDRAM_DQMH: U2.39 U5.75 | length 31.6
  Component Side w0.2: U5.75@43.25,31.8 43.25,33.602 43.666,34.018 43.666,35.866 44.6,36.8 47.5,36.8 48.1,36.2 48.225,36.075 ccw(c48.35,36.2) 48.475,36.075 48.592,36.192 cw(c48.717,36.067) 48.843,36.192 49.093,35.941 cw(c48.968,35.816) 49.093,35.691 48.976,35.574 ccw(c49.101,35.449) 48.976,35.324 49.226,35.074 ccw(c49.352,35.199) 49.477,35.074 49.594,35.19 cw(c49.719,35.065) 49.844,35.19 50.094,34.94 cw(c49.969,34.815) 50.094,34.69 49.852,34.448 49.57,34.165 ccw(c49.695,34.04) 49.57,33.915 49.82,33.665 ccw(c49.945,33.79) 50.07,33.665 50.228,33.822 cw(c50.353,33.697) 50.478,33.822 50.853,33.447 50.9,33.4 50.9,33.046 50.9,32.338 50.9,31.807 cw(c50.723,31.807) 50.723,31.63 50.652,31.63 ccw(c50.652,31.453) 50.475,31.453 50.475,31.099 ccw(c50.652,31.099) 50.652,30.922 50.723,30.922 cw(c50.723,30.745) 50.9,30.745 50.9,30.391 cw(c50.723,30.391) 50.723,30.214 50.652,30.214 ccw(c50.652,30.037) 50.475,30.037 50.475,29.683 ccw(c50.652,29.683) 50.652,29.506 50.723,29.506 cw(c50.723,29.329) 50.9,29.329 50.9,29.1 51.65,28.35 51.65,24.25 52.05,23.85 53.469,23.85 54.219,23.1 U2.39@56.5,23.1
SDRAM_DQML: U2.15 U5.50 | length 30
  Component Side w0.2: v1@43.55,18.75 U5.50@46.3,18.75 ; v1(65.2,22.3) U2.15@67.9,22.3
  Solder Side w0.2: v1(43.5,18.7) 49.034,18.7 50.684,17.05 51.269,17.05 53.369,19.15 54.681,19.15 55.431,19.9 58.5,19.9 60.2,21.6 64.5,21.6 v1(65.2,22.3)
SDRAM_RAS#: U2.18 U5.57 | length 30.7
  Component Side w0.2: U5.57@46.3,22.25 47.95,22.25 48.4,22.7 v1(49.7,22.7) ; v1(64.2,24.7) U2.18@67.9,24.7
  Solder Side w0.2: v1(49.7,22.7) 50.816,22.7 53.616,25.5 54.1,25.5 54.277,25.5 ccw(c54.277,25.677) 54.454,25.677 54.454,25.823 cw(c54.631,25.823) 54.631,26 54.985,26 cw(c54.985,25.823) 55.162,25.823 55.162,25.5 55.162,25.077 ccw(c55.339,25.077) 55.339,24.9 55.693,24.9 ccw(c55.693,25.077) 55.87,25.077 55.87,25.5 55.87,25.823 cw(c56.047,25.823) 56.047,26 56.401,26 cw(c56.401,25.823) 56.578,25.823 56.578,25.5 56.578,25.077 ccw(c56.755,25.077) 56.755,24.9 57.109,24.9 ccw(c57.109,25.077) 57.286,25.077 57.286,25.5 57.286,25.823 cw(c57.463,25.823) 57.463,26 57.817,26 cw(c57.817,25.823) 57.994,25.823 57.994,25.5 57.994,25.077 ccw(c58.171,25.077) 58.171,24.9 58.525,24.9 ccw(c58.525,25.077) 58.702,25.077 58.702,25.5 58.702,25.823 cw(c58.879,25.823) 58.879,26 59.233,26 cw(c59.233,25.823) 59.41,25.823 59.41,25.5 59.41,25.077 ccw(c59.587,25.077) 59.587,24.9 59.941,24.9 ccw(c59.941,25.077) 60.118,25.077 60.118,25.323 cw(c60.295,25.323) 60.295,25.5 60.5,25.5 62.2,25.5 63,24.7 v1(64.2,24.7)
SDRAM_WE#: U2.16 U5.52 | length 32.6
  Component Side w0.2: v1(42,19.4) 44.6,19.4 44.95,19.75 U5.52@46.3,19.75 ; v1(64.2,23.1) U2.16@67.9,23.1
  Solder Side w0.2: v1(42,19.4) 42.05,19.35 48.95,19.35 49.75,18.55 52.053,18.55 53.053,19.55 54.516,19.55 57.116,22.15 62.216,22.15 63.166,23.1 v1(64.2,23.1)
SPI_ASDI: U1.5 U5.24 | length 44.4
  Component Side w0.2: U5.24@38.25,10.2 38.2,10.25 38.2,13.166 40.1,15.066 v1(40.1,15.5) ; v1@61.505,3.595 U1.5@63.85,3.595
  Solder Side w0.2: v1(40.1,15.5) 40.1,16 39.7,16.4 38.6,16.4 37.2,15 37.2,11.219 43.219,5.2 43.994,5.2 44.794,4.4 52,4.4 52.6,3.8 55.8,3.8 56.65,2.95 59.05,2.95 59.7,3.6 v1(61.5,3.6)
SPI_CLK: U1.6 U5.21 | length 38.6
  Component Side w0.2: U5.21@36.75,10.2 36.75,12.15 37.1,12.5 37.1,14.2 37.7,14.8 v1(38.2,14.8) ; v1(61.5,4.9) 61.535,4.865 U1.6@63.85,4.865
  Solder Side w0.2: v1(38.2,14.8) 38.2,14 37.7,13.5 37.7,11.285 43.185,5.8 49.3,5.8 50.2,4.9 52.066,4.9 52.766,4.2 57.081,4.2 57.781,4.9 v1(61.5,4.9)
SPI_CS: U1.1 U5.25 | length 38.1
  Component Side w0.2: U5.25@38.75,10.2 38.75,13.15 40,14.4 v1(40.5,14.4) ; U1.1@59.15,7.405 v1@61.495,7.405
  Solder Side w0.2: v1(40.5,14.4) 39.8,14.4 38.5,13.1 38.5,11.616 43.516,6.6 49.631,6.6 50.531,5.7 52.397,5.7 52.797,5.3 54.881,5.3 55.231,5.65 57.25,5.65 59,7.4 v1(61.5,7.4)
SPI_DATA: U1.2 U5.22 | length 35.3
  Component Side w0.2: U5.22@37.25,10.2 37.25,11.95 37.725,12.425 37.725,13.325 38.9,14.5 v1(38.9,15.5) ; v1(55.6,5) 55.6,5.7 56.035,6.135 U1.2@59.15,6.135
  Solder Side w0.2: v1(38.9,15.5) 38.9,14.066 38.1,13.266 38.1,11.451 43.351,6.2 49.466,6.2 50.366,5.3 52.231,5.3 52.931,4.6 55.2,4.6 v1(55.6,5)
SW0: R32.2 S1.1 S1.2 U5.130 | length 66.6
  Component Side w0.2: S1.2@-10.8,11.5 S1.1@-4.3,11.5 -4.3,10.2 -5.5,9 -5.5,5.7 -4.9,5.1 -2.8,5.1 -2.3,4.6 R32.2@-2.3,3.9 ; U5.130@24.7,19.25 25.95,19.25 26.9,20.2 v1(27.7,20.2)
  Solder Side w0.2: S1.1@-4.3,11.5 -5.561,11.5 -7.25,13.189 -7.25,17.311 -6.261,18.3 -1.6,18.3 -0.6,19.3 3.803,19.3 6.353,16.75 20.216,16.75 23.666,20.2 v1(27.7,20.2)
SW1: R33.2 S2.1 S2.2 U5.123 | length 78.2
  Component Side w0.2: S2.2@-10.8,3.3 S2.1@-4.3,3.3 -4.3,1.2 -3.175,0.075 -3.175,-1.2 -2.975,-1.4 R33.2@-2.3,-1.4 ; v1(18.4,24) 21.166,24 22.416,22.75 U5.123@24.7,22.75
  Solder Side w0.2: S2.1@-4.3,3.3 -6,3.3 -9.1,6.4 -9.1,16.371 -6.771,18.7 -1.766,18.7 -0.766,19.7 3.969,19.7 6.519,17.15 20.05,17.15 23.1,20.2 23.1,21.4 22.3,22.2 20.366,22.2 18.566,24 v1(18.4,24)
VBUS: CN3.1 J3.3 | length 5.1
  Component Side w0.4: CN3.1@-8.3,20.3 -3.48,20.3 J3.3@-3.3,20.12
pads on no net: CN1.6 CN1.7 CN1.8 CN2. CN2.13 CN2.14 CN2.18 CN3. CN3.4 CN3.6 CN3.7 J1.31 J2.5 J2.6 J2.9 J2.11 J2.13 J2.15 J2.17 J2.19 J2.21 J2.25 J2.27 J2.29 U2.40 U5.FIDUCIAL

## Polygon pours and split planes (outlines as drawn)
3_3V on Component Side "L1_3_3V" (solid, remove dead copper, pour order 8): 6.5,27.3 6.5,19.7 12.5,19.7 12.5,23.1 17.3,23.1 17.3,27.3
GND on Component Side "L1-No Net" (solid, remove dead copper, pour order 10): -12.3,51.47 -12.3,-3 72.7,-3 72.7,51.47
GND on Solder Side "L1-No Net" (solid, remove dead copper, pour order 12): 72.7,-3 -12.3,-3 -12.3,51.47 72.7,51.47
3_3V on Solder Side "L2_3_3V" (solid, remove dead copper, pour order 9): 6.5,27.3 6.5,19.7 12.5,19.7 12.5,23.1 17.3,23.1 17.3,27.3
GND on Ground Plane (split plane): 72.19,-2.49 -11.79,-2.49 -11.79,50.96 72.19,50.96
5V_IN on Power Plane (split plane): 3.349,7.6 3.354,7.561 3.369,7.524 3.393,7.493 3.424,7.469 3.461,7.454 3.5,7.449 18.749,7.449 18.749,-2.49 15.951,-2.49 15.951,4.6 15.946,4.639 15.931,4.676 15.907,4.707 15.876,4.731 15.839,4.746 15.8,4.751 -0.649,4.751 -0.649,23.6 -0.654,23.639 -0.669,23.676 -0.693,23.707 -0.724,23.731 -0.761,23.746 -0.8,23.751 -4.949,23.751 -4.949,26.849 3.349,26.849
3_3V on Power Plane (split plane): 72.19,-2.49 19.051,-2.49 19.051,7.6 19.046,7.639 19.031,7.676 19.007,7.707 18.976,7.731 18.939,7.746 18.9,7.751 3.651,7.751 3.651,27 3.646,27.039 3.631,27.076 3.607,27.107 3.576,27.131 3.539,27.146 3.5,27.151 -5.1,27.151 -5.139,27.146 -5.176,27.131 -5.207,27.107 -5.231,27.076 -5.246,27.039 -5.251,27 -5.251,23.6 -5.246,23.561 -5.231,23.524 -5.207,23.493 -5.176,23.469 -5.139,23.454 -5.1,23.449 -0.951,23.449 -0.951,4.6 -0.946,4.561 -0.931,4.524 -0.907,4.493 -0.876,4.469 -0.839,4.454 -0.8,4.449 15.649,4.449 15.649,-2.49 -11.79,-2.49 -11.79,50.96 72.19,50.96

## Keep-outs
Keep-Out Layer:
  the board outline again, w0.2

## Other copper
Component Side:
  pour cut-out: 63.85,7.405 63.85,3.595 59.15,3.595 59.15,7.405
  pour cut-out: 35.8,38.6 38.3,38.6 38.3,45.3 35.8,45.3
  pour cut-out: 61.2,49.5 61.2,46.5 64.2,46.5 64.2,49.5
  pour cut-out: -1.5,1.5 -1.5,-1.5 1.5,-1.5 1.5,1.5
  pour cut-out: 9.506,19.1 9.506,17.7 15.1,17.7 15.1,19.1
  pour cut-out: 16.9,18.1 16.9,12.819 19.4,12.819 19.4,18.1
  pour cut-out: 16.9,9.4 16.9,1.3 19.375,1.3 19.375,9.4
  pour cut-out: 6.9,19.7 6.9,3.4 9.5,3.4 9.5,19.7
  pour cut-out: 7.1,5.75 7.1,1.3 17.3,1.3 17.3,5.75
  pour cut-out: 27.691,46.442 27.691,37.742 28.491,37.742 28.491,46.442
  pour cut-out: 27.691,46.2 41.3,46.2 41.3,51.6 27.691,51.6
  pour cut-out: 40.3,46.2 40.3,37.5 41.3,37.5 41.3,46.2
  pour cut-out: 14.1,18.2 14.1,16.1 19.4,16.1 19.4,18.2
  pour cut-out: 6.2,24.7 2.846,24.7 2.846,20.1 6.2,20.1
  pour cut-out: 27.694,51.568 -12.398,51.568 -12.397,27.468 27.694,27.468
  pour cut-out: 29.1,11.8 26.9,11.8 26.9,9.1 29.1,9.1
  pour cut-out: 61.2,1.5 61.2,-1.5 64.2,-1.5 64.2,1.5
  pour cut-out: -2.5,17.8 -2.5,6.3 0.423,6.3 0.423,17.8
  pour cut-out: 6.3,27.5 5.3,27.5 5.3,22.9 6.3,22.9
  pour cut-out: 19.375,12.3 19.375,7.729 20.471,7.729 20.471,12.3
  pour cut-out: -9,24.368 -12.298,24.368 -12.298,13.8 -9,13.8
Solder Side:
  pour cut-out: 19.375,12.3 19.375,9 20.471,9 20.471,12.3
Power Plane (plane layer: these items are gaps in the copper):
  rectangle: 33.2,18.7 37.8,23.3
  lines w0.3: 16,-3.127 15.8,-2.927 15.8,4.6 -0.8,4.6 -0.8,23.6 -5.1,23.6 -5.1,27 3.5,27 3.5,7.6 18.9,7.6 18.9,-2.827 18.6,-3.127

## Silkscreen, mask and mechanical layers (free items; w line width, h text height)
Top Overlay:
  drawing of 408 lines, arcs and shapes, not listed
  text "1" at 10.9,50.4 h0.8
  text "39" at 59.2,50.3 h0.8
  text "2" at 10.5,45.6 h0.8
  text "40" at 56.6,45 h0.8
  text "JTAG" at 66.4,33.7 h0.8
  text "GEMINI Board" at 47,8 h1
  text "REV.A2" at 48,6.3 h1
  text "S/N" at 47.9,3 h1
  text "39" at 59.1,1.9 h0.8
  text "1" at 7.7,0.1 h0.8
  text "2" at 7.6,-1.8 h0.8
  text "40" at 59.2,-1.8 h0.8
Bottom Overlay:
  drawing of 5500 lines, arcs and shapes, not listed
  text "9" at 57.4,42.1 h1
  text "1" at 69.5,40.5 h1
  text "2" at 69.5,38 h1
  text "10" at 58.1,36.3 h1
  text "J3 setting" at 1.5,30 h1 r90
  text "1-2 : power from pin7,8 of J2" at 4,30 h1 r90
  text "2-3 : power from USB (default)" at 6.5,30 h1 r90
  text "1" at -5,25 h1
  text "3" at -5,19.5 h1
  text "MCLR" at 29.2,9.4 h0.8 r90
  text "VDD" at 26.6,8.7 h0.8 r90
  text "GND" at 24.2,7.7 h0.8 r90
  text "PGC" at 19.1,7.6 h0.8 r90
  text "PGD" at 21.5,7.6 h0.8 r90
  text "5" at 17.2,3.7 h1
  text "1" at 30.5,3.7 h1

## Text inside footprints (layer, text, board x,y; h text height)
CN1: Top Overlay "2" at 69,38 h0.8; Top Overlay "1" at 69,40.5 h0.8; Top Overlay "9" at 54,40.5 h0.8; Top Overlay "10" at 53.5,38 h0.8
J1: Bottom Overlay "1" at 7.3,49.3 h0.8; Bottom Overlay "2" at 7.475,46.725 h0.8; Bottom Overlay "40" at 61.6,46.8 h0.8; Bottom Overlay "39" at 61.6,49.3 h0.8
J2: Bottom Overlay "1" at 7.6,0.9 h0.8; Bottom Overlay "2" at 7.7,-1.6 h0.8; Bottom Overlay "40" at 61.7,-1.6 h0.8; Bottom Overlay "39" at 61.6,2 h0.8
J3: Top Overlay "3" at -5.5,19.9 h0.8; Top Overlay "1" at -5.2,24.2 h0.8
J4: Top Overlay "5" at 16.5,4.4 h0.8; Top Overlay "1" at 30.4,3.8 h0.8
LED1: Top Overlay "K" at -11.4,30.4 h0.8; Top Overlay "A" at -6.7,30.4 h0.8